# Altium PCB WaveformGen.PcbDoc
Units mm, origin at the board's own origin, x right, y up, seen from the top; angles counter-clockwise.
Board outline 76.83 x 65.53 mm, 4 copper layers (Top Layer, Mid Layer 1, Mid Layer 2, Bottom Layer), stack 1.57 mm thick; 64 components, 47 nets, 264 pads, 74 vias.
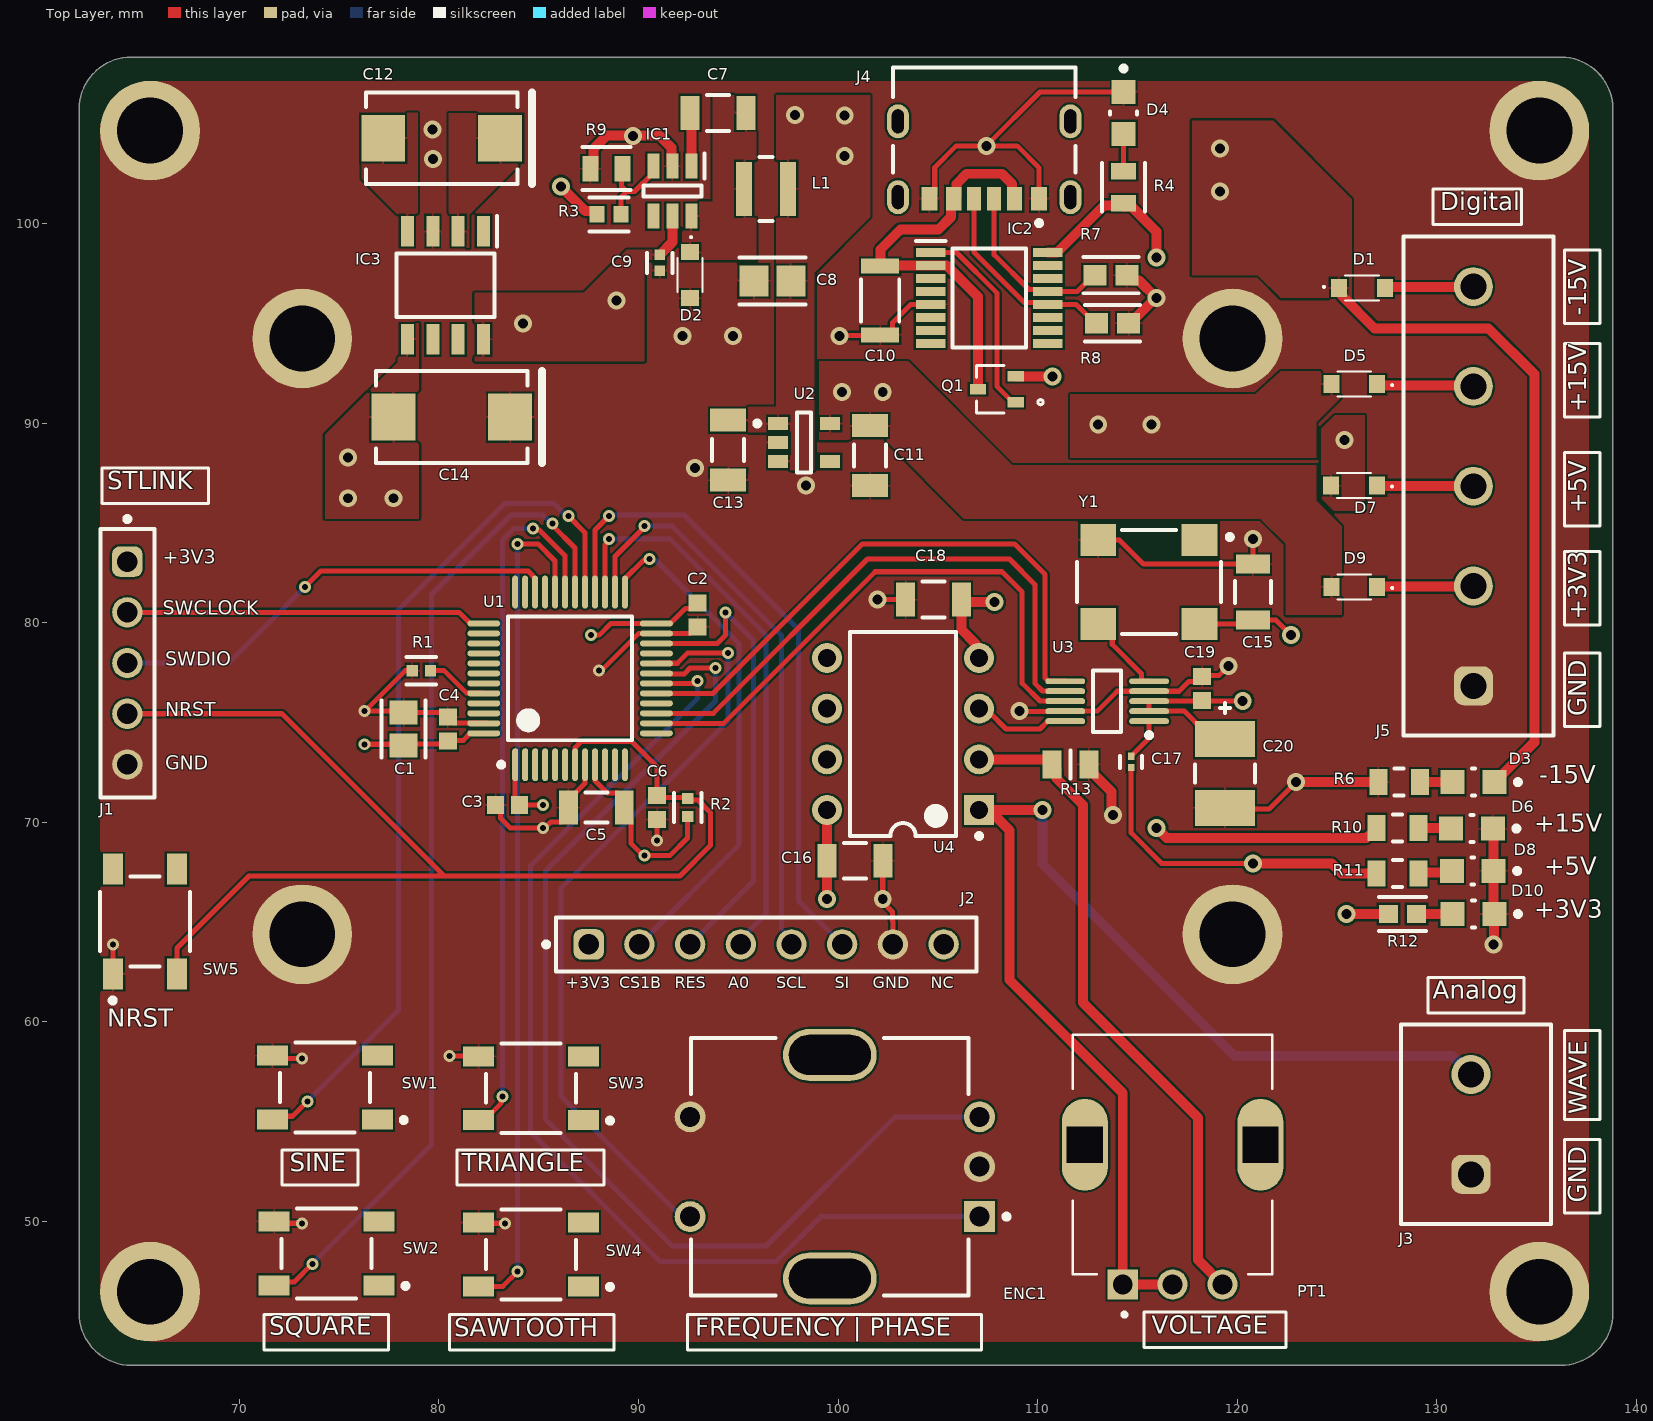
[diagram p0: Top Layer view]
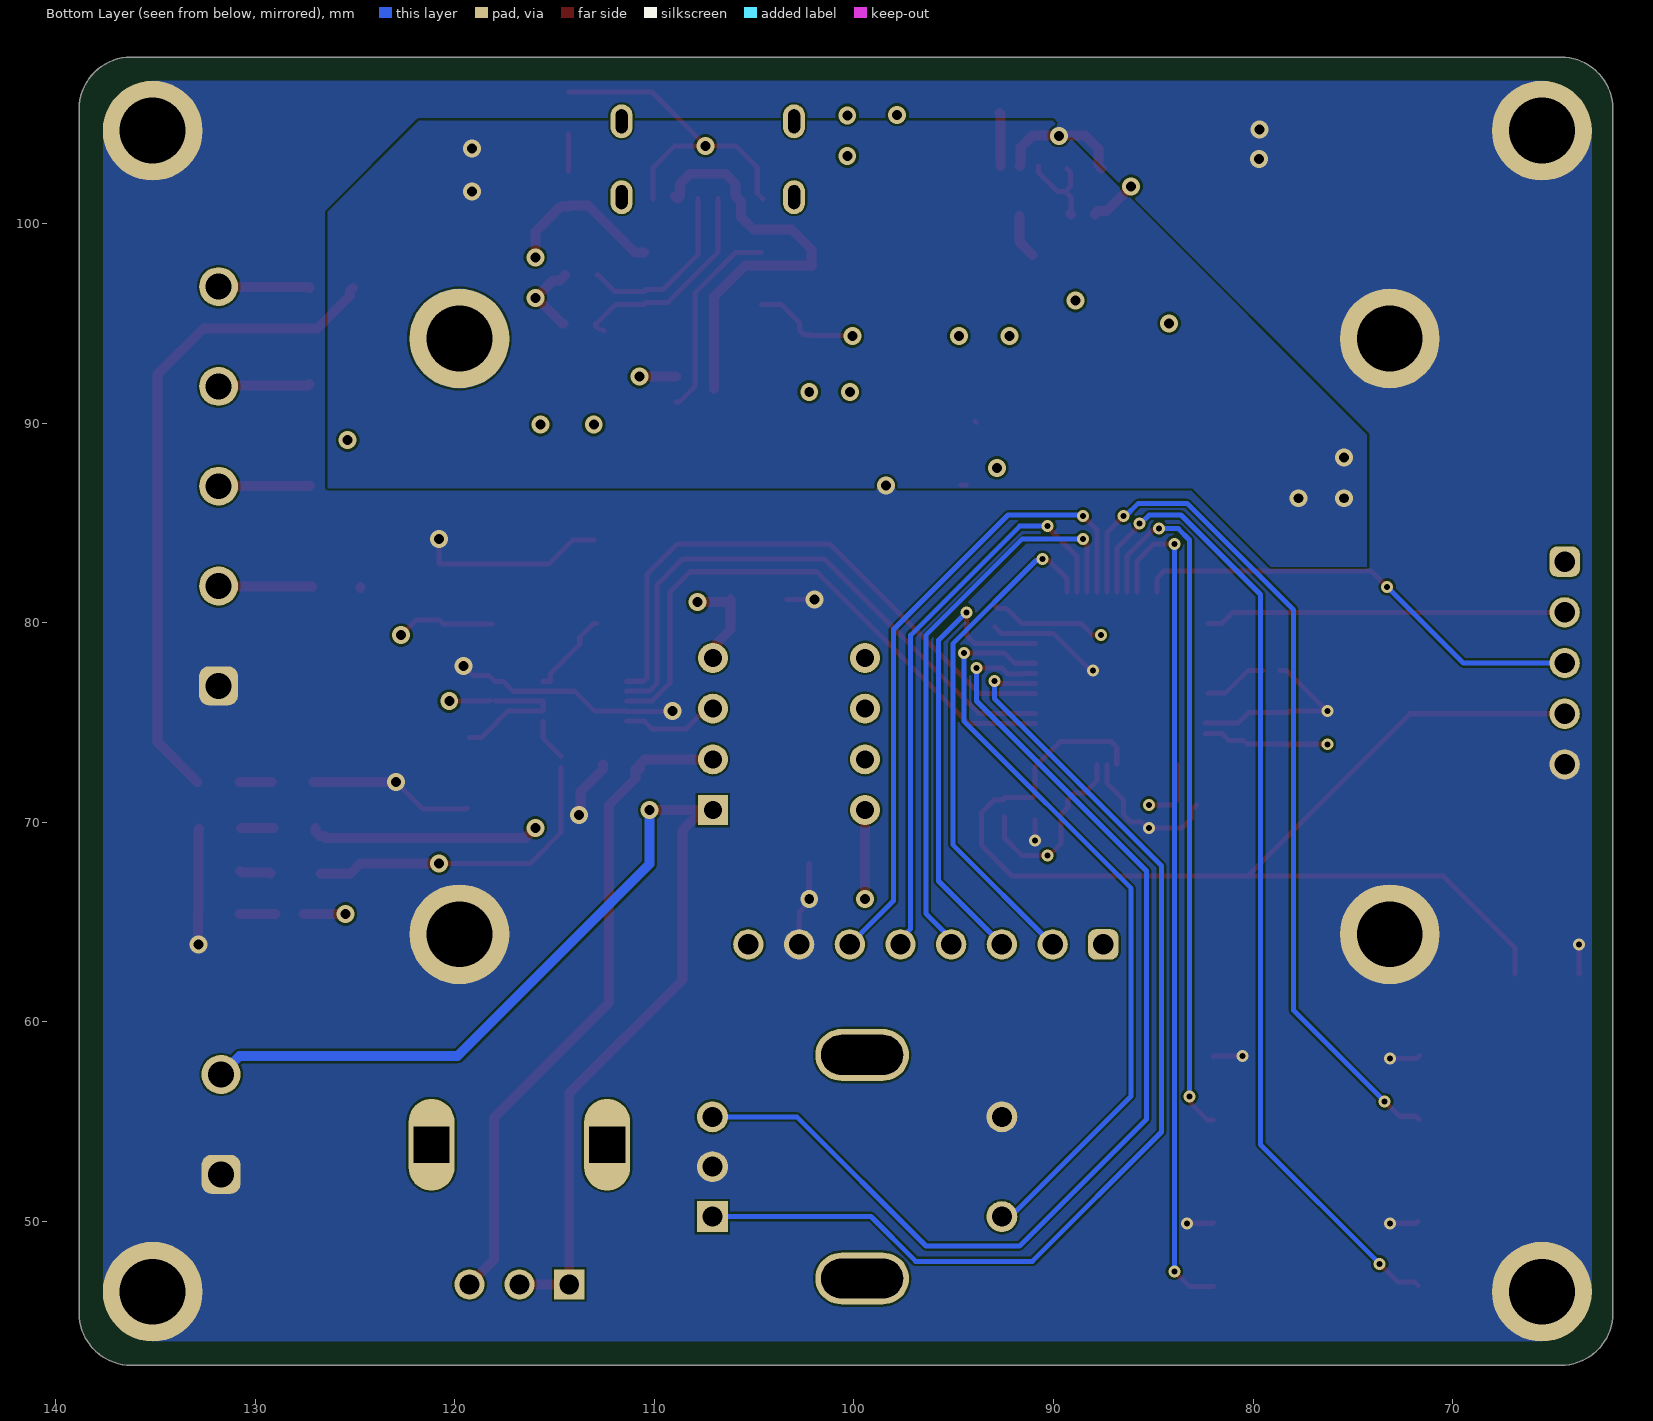
[diagram p1: Bottom Layer view, seen from below]
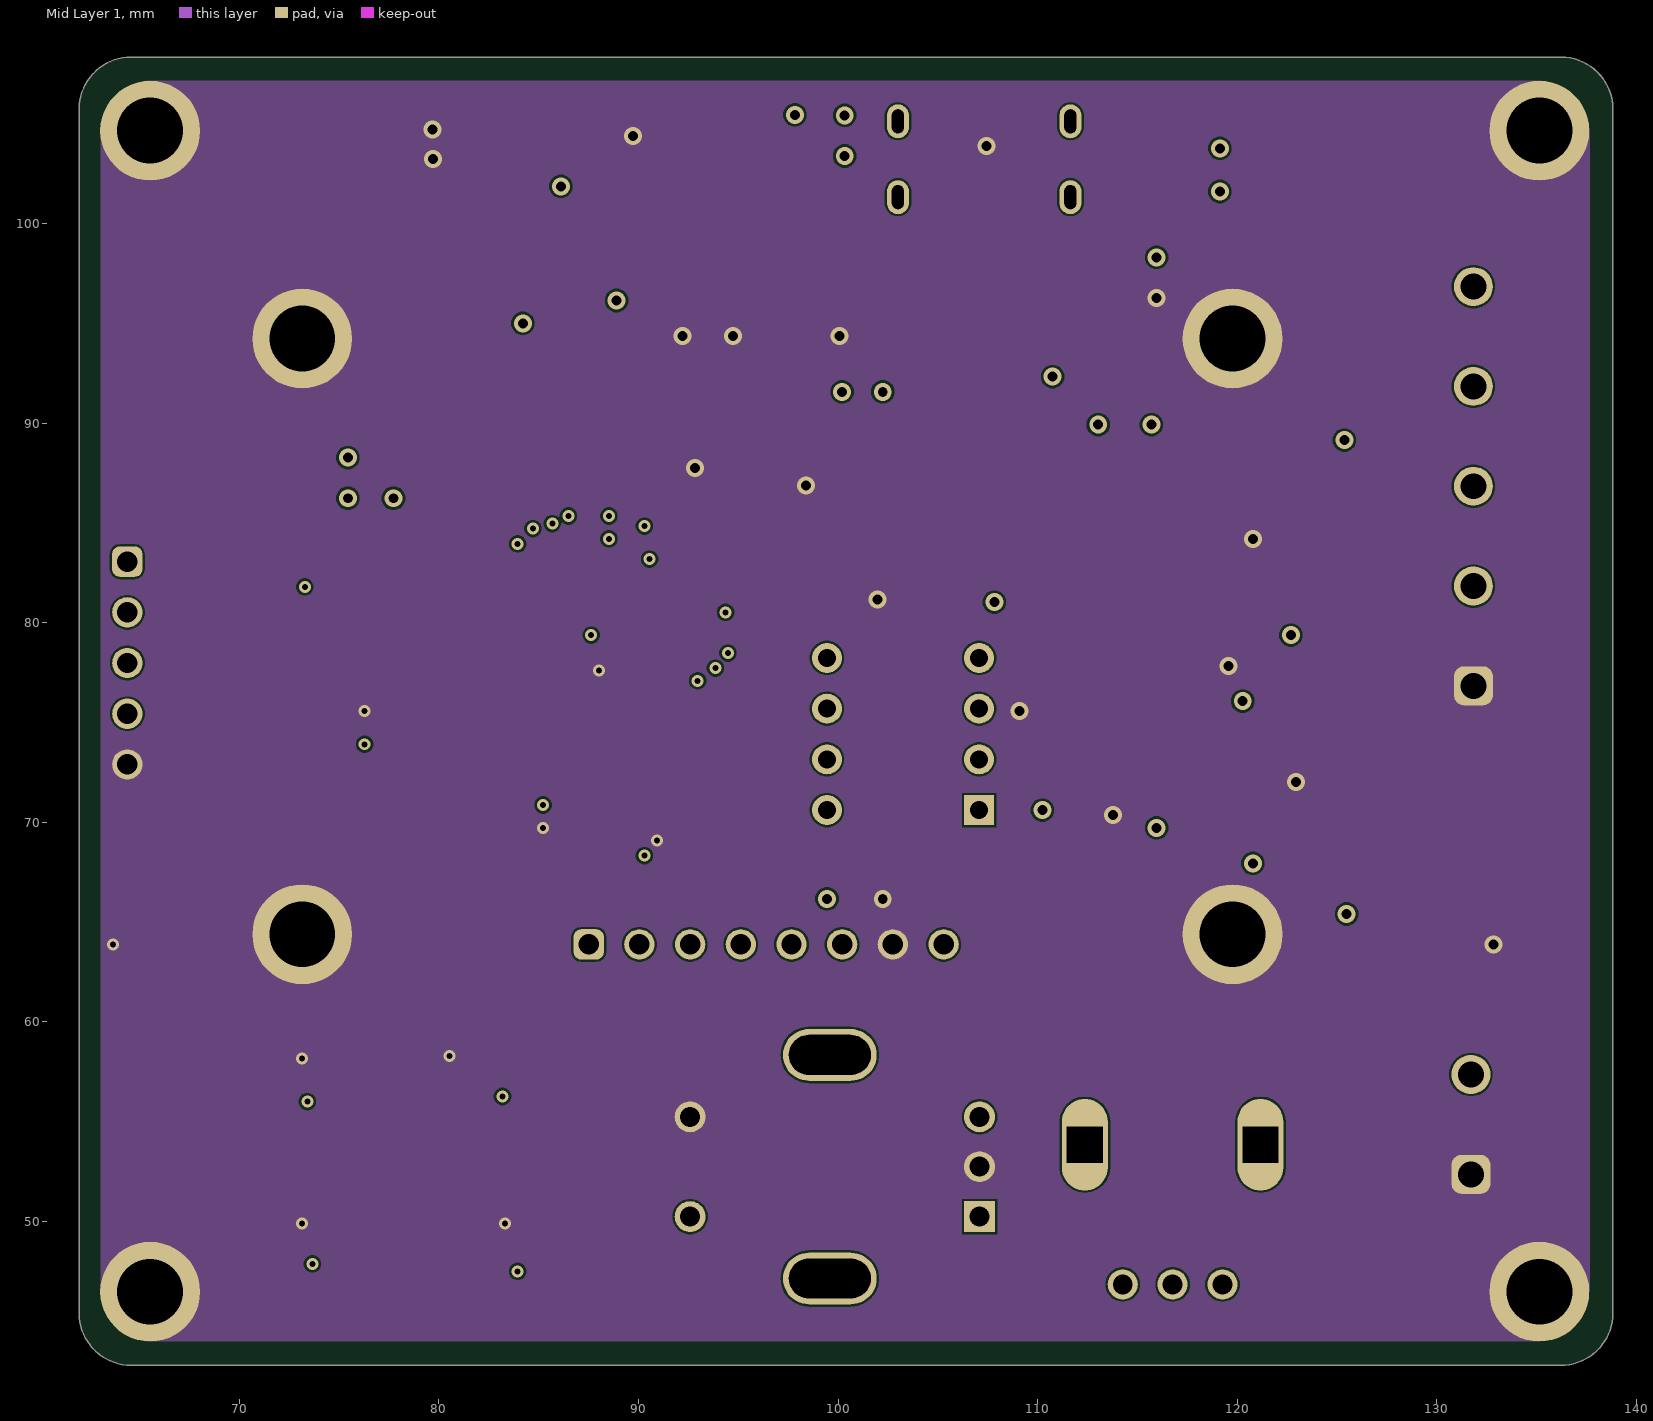
[diagram p2: Mid Layer 1]
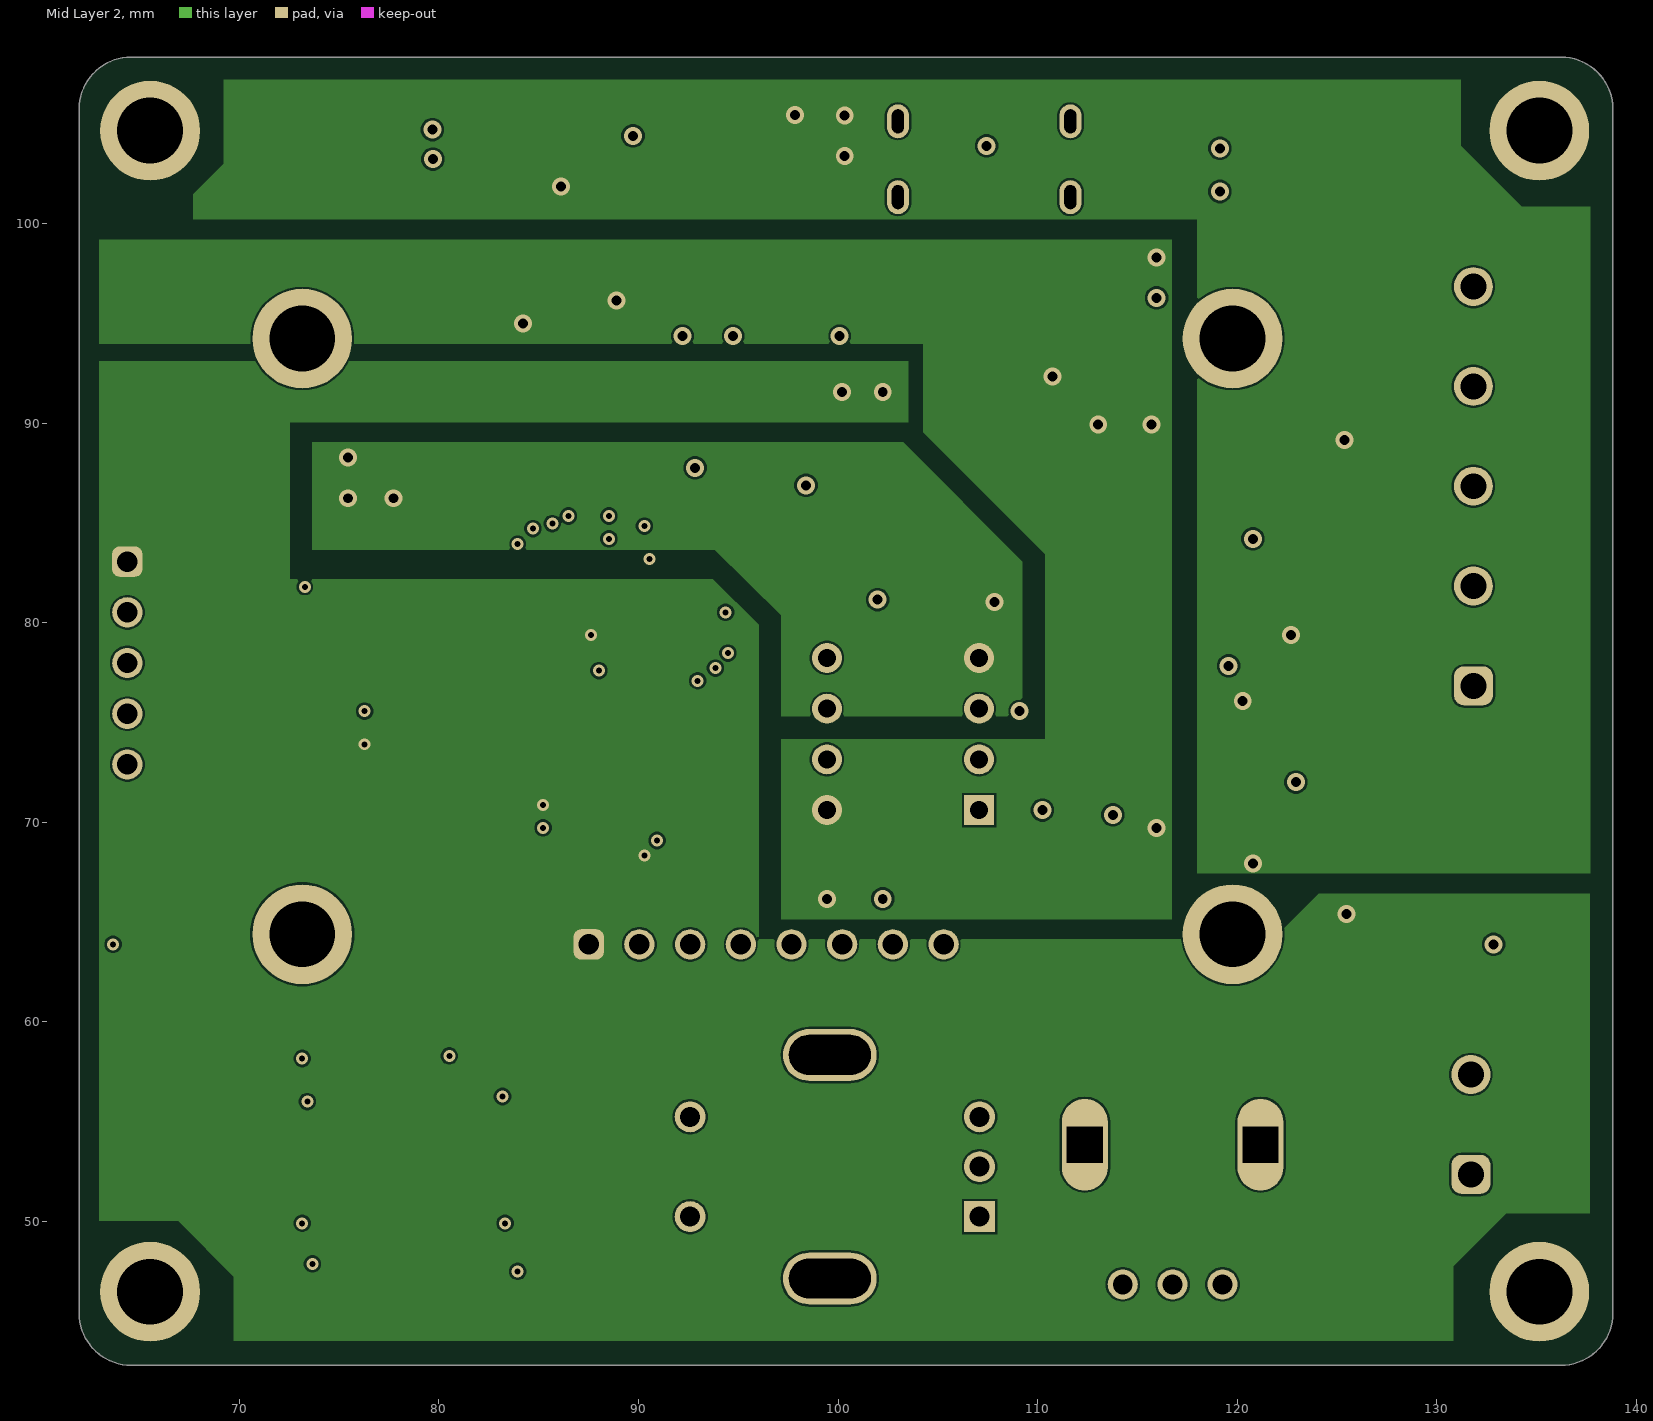
[diagram p3: Mid Layer 2]
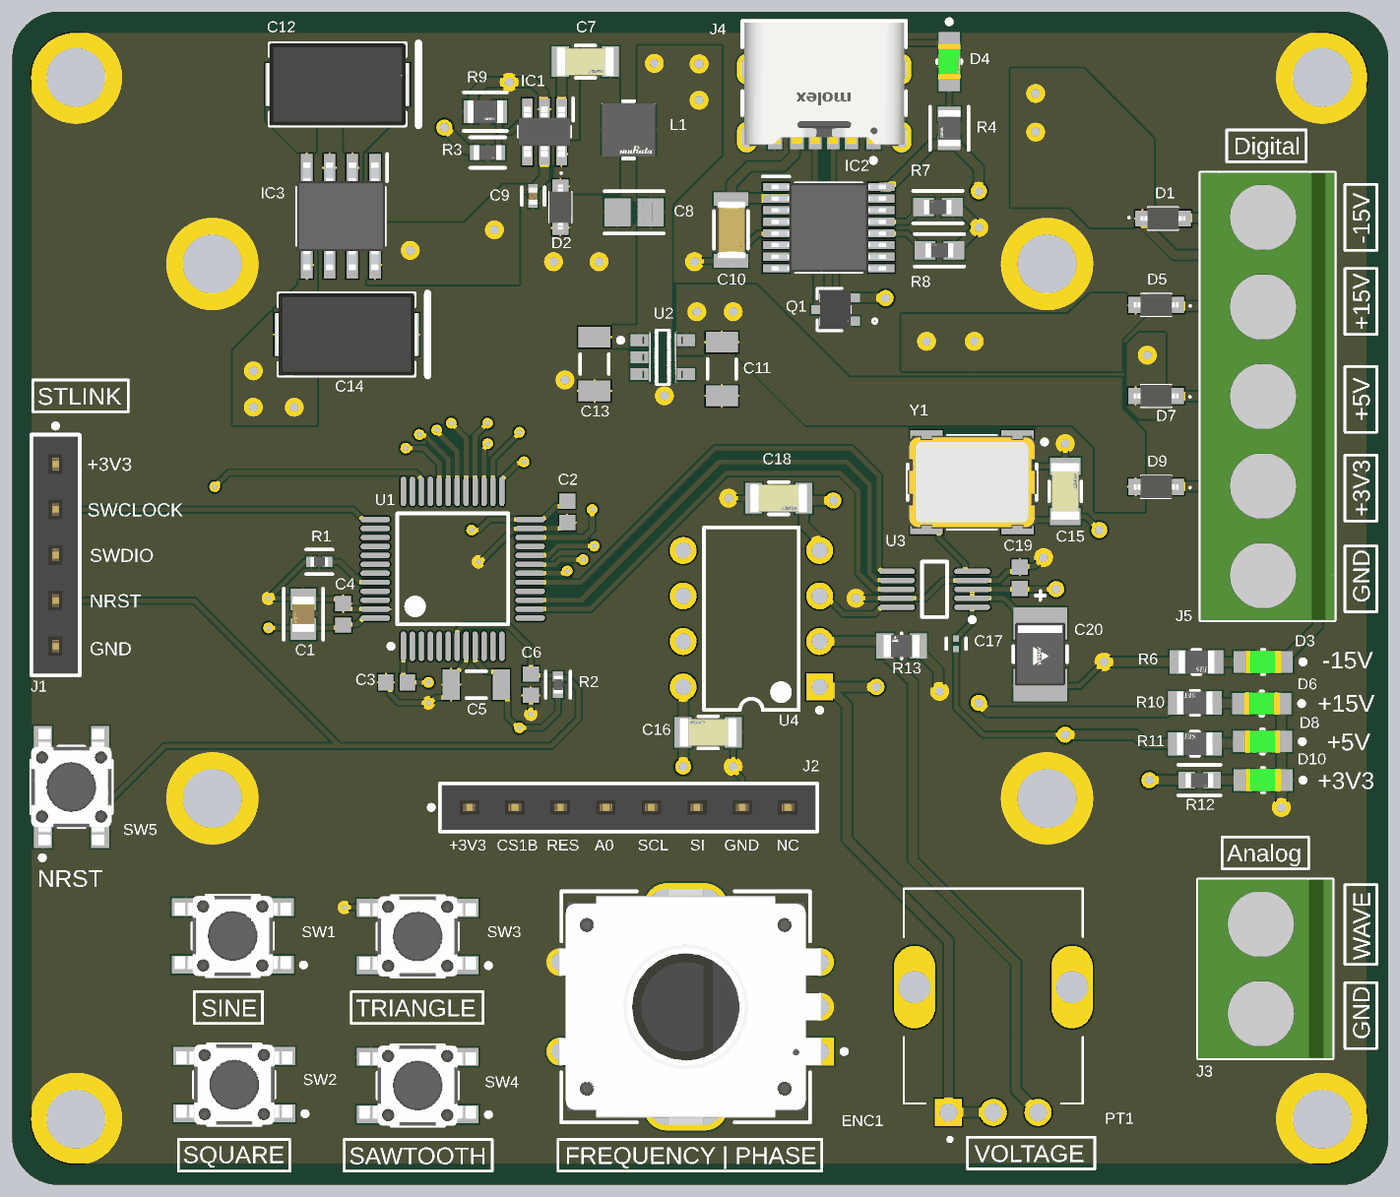
[diagram p4: 3D render of the assembled board from above, using the file's embedded part models]

## Layer stack, top to bottom
Top Solder: solder mask 0.0127, Solder Resist, Dk 3.8
Top Layer: signal copper 0.035
Dielectric 1: prepreg 0.1, 2313, Dk 4.05
Mid Layer 1: signal copper 0.0175
Core: core 1.265, FR-4, Dk 4.5
Mid Layer 2: signal copper 0.0175
Dielectric 2: prepreg 0.1, 2313, Dk 4.05
Bottom Layer: signal copper 0.035
Bottom Solder: solder mask 0.0127, Solder Resist, Dk 3.8

## Board outline
61.976,45.401 ccw(c64.578,45.401) 64.578,42.799 136.209,42.799 ccw(c136.209,45.401) 138.811,45.401 138.811,105.729 ccw(c136.209,105.729) 136.209,108.331 64.578,108.331 ccw(c64.578,105.729) 61.976,105.729

## Design rules (kind name [scope] priority, off if disabled: settings)
BoardOutlineClearance [All] p1: gap=0.2 ignorepadtopadclearanceinfootprint=FALSE
Clearance [All] p1: gap=0.102 ignorepadtopadclearanceinfootprint=FALSE except(0.127: Arc-Via Track-Via SMDPad-Via THPad-Via Via-Via Via-Fill Via-Poly Via-Region Via-Text; 0.25: Arc-Hole Track-Hole SMDPad-Hole THPad-Hole Via-Hole Fill-Hole Poly-Hole Region-Hole Text-Hole)
ComponentClearance [All] p1: gap=0.102 collisioncheckmode=3 verticalgap=0.102 showdistances=TRUE
DiffPairsRouting [All] p1: maxlimit=0.102 minlimit=0.102 mostfreqgap=0.102 toplayer_minwidth=0.102 toplayer_maxwidth=1816.048 toplayer_prefwidth=0.102 midlayer1_minwidth=0.102 midlayer1_maxwidth=1816.048 midlayer1_prefwidth=0.102 midlayer2_minwidth=0.102 midlayer2_maxwidth=1816.048 midlayer2_prefwidth=0.102 bottomlayer_minwidth=0.102 bottomlayer_maxwidth=1816.048 bottomlayer_prefwidth=0.102 maxuncoupledlength=12.7
Height [All] p1: minheight=0 maxheight=1816.048 prefheight=12.7
HoleSize [All] p1: absolutevalues=TRUE maxlimit=6.3 minlimit=0.2 maxpercent=80.000 minpercent=20.000
HoleToHoleClearance [All] p1: gap=0.25 allowstackedmicrovias=FALSE
MinimumAnnularRing [All] p1: minimumring=0.076
MinimumSolderMaskSliver [All] p1: minsoldermaskwidth=0
PlaneClearance [All] p1: clearance=0.102
PlaneConnect PlaneConnectPowerPads [InNetClass('PowerPads')] p1: planeconnectstyle=Direct reliefexpansion=0.508 reliefentries=4 reliefconductorwidth=0.254 reliefairgap=0.254
PlaneConnect [All] p2: pad.planeconnectstyle=Relief pad.reliefexpansion=0.3 pad.reliefentries=4 pad.reliefconductorwidth=0.102 pad.reliefairgap=0.102 via.planeconnectstyle=Direct via.reliefexpansion=0.3 via.reliefentries=4 via.reliefconductorwidth=0.102 via.reliefairgap=0.102
PolygonConnect PolygonConnectPowerPads [All vs InNetClass('PowerPads')] p1: connectstyle=Direct reliefconductorwidth=0.254 reliefentries=4 polygonreliefangle="90 Angle" airgapwidth=0.254
PolygonConnect PolygonConnectGND [InNet('DGND')] p2: connectstyle=Direct reliefconductorwidth=0.254 reliefentries=4 polygonreliefangle="90 Angle" airgapwidth=0.254
PolygonConnect [All] p3: thpad.connectstyle=Direct thpad.reliefconductorwidth=0.102 thpad.reliefentries=4 thpad.polygonreliefangle="90 Angle" thpad.airgapwidth=0.102 smdpad.connectstyle=Relief smdpad.reliefconductorwidth=0.102 smdpad.reliefentries=4 smdpad.polygonreliefangle="90 Angle" smdpad.airgapwidth=0.102 via.connectstyle=Direct via.reliefconductorwidth=0.102 via.reliefentries=4 via.polygonreliefangle="90 Angle" via.airgapwidth=0.102
RoutingVias [All] p1: holewidth=0.2 width=0.45 viastyle="Through Hole" minholewidth=0.2 minwidth=0.45 maxholewidth=6.3 maxwidth=6.55
SilkToSilkClearance [All] p1: silktosilkclearance=0
SilkToSolderMaskClearance [IsPad] p1: minsilkscreentomaskgap=0.102 clearancetoexposedcopper=TRUE
SolderMaskExpansion [All] p1: expansion=0.075 istentingtop=FALSE
SupplyNets "Schematic Supply Nets_6" [InNet('GND')] p1: voltage=0.000
SupplyNets "Schematic Supply Nets_4" [InNet('+5V')] p2: voltage=0.000
SupplyNets "Schematic Supply Nets_2" [InNet('+3V3')] p3: voltage=0.000
SupplyNets "Schematic Supply Nets_1" [InNet('+15V')] p4: voltage=0.000
SupplyNets "Schematic Supply Nets" [InNet('-15V')] p5: voltage=0.000
Width Width_15V [InNet('+15V')] p1: maxlimit=1816.048 minlimit=0.102 preferedwidth=0.5
Width Width_-15V [InNet('-15V')] p2: maxlimit=1816.048 minlimit=0.102 preferedwidth=0.5
Width Width_VBUS [InNet('VBUS_IN')] p3: maxlimit=1816.048 minlimit=0.102 preferedwidth=0.5
Width [All] p4: maxlimit=1816.048 minlimit=0.102 preferedwidth=0.254
20 further rules are at their usual default settings.

## Classes and differential pairs
component class Power: C7 C8 C9 C10 C11 C12 C13 C14 D1 D2 D3 D4 D5 D6 D7 D8 D9 D10 F1 IC1 IC2 IC3 J3 J4 J5 L1 Q1 R3 R4 R6 R7 R8 R9 R10 R11 R12 U2
component class Digital: C1 C2 C3 C4 C5 C6 ENC1 J1 J2 R1 R2 SW1 SW2 SW3 SW4 SW5 U1
component class Analog: C15 C16 C17 C18 C19 C20 PT1 R13 U3 U4 VR1 Y1

## Components (designator, comment, footprint, x,y, rotation, side; value= is the part's Value field where it differs from the comment)
C1 "4.7uF" FP-GRM219-0_15-0_1-IPC_B 78.232,74.676 r270 top
C2 "100nF" CAPC1608X87X45LL20T05 92.964,80.391 r90 top
C3 "100nF" CAPC1608X87X45LL20T05 83.439,70.866 r0 top
C4 "100nF" CAPC1608X87X45LL20T05 80.448,74.666 r270 top
C5 "10nF" CAPC1206(3216)150_L 87.884,70.739 r0 top
C6 "100nF" CAPC1608X87X45LL20T05 90.932,70.739 r90 top
C7 "100uF" FP-C1206C-EB-MFG 93.98,105.537 r180 top value="0.10 μF"
C8 "10uF" FP-CL21-IPC_A 96.703,97.118 r180 top
C9 "2.2uF" FP-C0402-BB-MFG 91.059,98.025 r270 top value="2,200 pF"
C10 "1uF" FP-CGA5L-0_3-0_1-IPC_B 102.108,96.139 r270 top
C11 "1uF" CAPC1206(3216)130_N 101.6,88.368 r90 top
C12 "10uF" VISH-293D-E_L 80.137,104.267 r180 top
C13 "1uF" CAPC1206(3216)130_N 94.488,88.646 r90 top
C14 "10uF" VISH-293D-E_L 80.645,90.297 r180 top
C15 "100uF" FP-C1206C-EB-MFG 120.777,81.534 r270 top value="0.10 μF"
C16 "100uF" FP-C1206C-EB-MFG 100.838,68.072 r0 top value="0.10 μF"
C17 "10nF" FP-C0201-AB-MFG 114.681,73.025 r90 top value="10,000 pF"
C18 "100uF" FP-C1206C-EB-MFG 104.775,81.153 r180 top value="0.10 μF"
C19 "100nF" CAPC1608X87X45LL20T05 118.237,76.708 r270 top
C20 "10uF Tantalum" FP-293DB-MFG 119.38,72.443 r90 top
D1 "30V 1A" 1SS357TPH3F 126.238,96.774 r270 top
D2 "30V 1A" 1SS357TPH3F 92.583,97.409 r180 top
D3 "LEDG" FP-LTST-C170GKT-MFG 131.826,72.009 r180 top
D4 "LEDG" FP-LTST-C170GKT-MFG 114.3,105.537 r270 top
D5 "30V 1A" 1SS357TPH3F 125.857,91.948 r90 top
D6 "LEDG" FP-LTST-C170GKT-MFG 131.751,69.683 r180 top
D7 "30V 1A" 1SS357TPH3F 125.85,86.868 r90 top
D8 "LEDG" FP-LTST-C170GKT-MFG 131.792,67.564 r180 top
D9 "30V 1A" 1SS357TPH3F 125.857,81.788 r90 top
D10 "LEDG" FP-LTST-C170GKT-MFG 131.826,65.405 r180 top
ENC1 "PEC12R-4225F-S0024" FP-PEC12R-4225F-S0024-MFG 99.583,52.745 r90 top
IC1 "LMR16006YQ5DDCRQ1" SOT95P280X110-6N 91.694,101.62 r270 top
IC2 "IP2721" SOP65P640X120-16N 107.569,96.266 r0 top
IC3 "ICL7662CBA+T" SOIC127P600X175-8N 80.328,96.901 r270 top
J1 "61300511821" 61300511821 64.389,77.978 r270 top
J2 "61300811821" 61300811821 96.393,63.881 r0 top locked
J3 "691137710002" 691137710002 131.953,54.864 r90 top
J4 "217175-0001" FP-217175-0001-MFG 107.315,104.267 r180 top
J5 "691137710005" 691137710005 132.076,86.835 r90 top
L1 "6.8uH" FP-LQH3NPH_ME-MFG 96.393,101.727 r0 top
PT1 "PT01-D130K2-B203" TRIM_PT01-D130K2-B203 116.758,53.848 r0 top value="20k POT"
Q1 "NCH 60V 6A" SOT-323F_2-2U1S_UFM_TOS 107.95,91.694 r180 top
R1 "10k" FP-TFCR0402-IPC_B 79.121,77.597 r180 top
R2 "10k" FP-TFCR0402-IPC_B 92.456,70.739 r90 top
R3 "54.9k" FP-TFCR0603-IPC_C 88.519,100.457 r180 top
R4 "750" FP-AT0805-IPC_C 114.3,101.814 r270 top
R6 "750" FP-RMCF0805-MFG 128.109,72.009 r0 top
R7 "5.1k" FP-TFCR0603-IPC_A 113.665,97.409 r0 top
R8 "5.1k" FP-TFCR0603-IPC_A 113.752,94.996 r0 top
R9 "10k" FP-AT0805-IPC_C 88.392,102.743 r0 top
R10 "750" FP-RMCF0805-MFG 128.016,69.723 r180 top
R11 "250" FP-RMCF0805-MFG 128.016,67.437 r180 top
R12 "620" FP-TFCR0603-IPC_B 128.27,65.405 r180 top
R13 "1k" FP-MCU0805-IPC_B 111.633,72.898 r180 top
SW1 "PTS647SK38SMTR2LFS" FP-PTS647SK38SMTR2LFS-MFG 74.288,56.707 r180 top
SW2 "PTS647SK38SMTR2LFS" FP-PTS647SK38SMTR2LFS-MFG 74.373,48.401 r180 top
SW3 "PTS647SK38SMTR2LFS" FP-PTS647SK38SMTR2LFS-MFG 84.618,56.676 r180 top
SW4 "PTS647SK38SMTR2LFS" FP-PTS647SK38SMTR2LFS-MFG 84.618,48.35 r180 top
SW5 "PTS647SK38SMTR2LFS" FP-PTS647SK38SMTR2LFS-MFG 65.278,65.024 r90 top
U1 "STM32F030C8T6" STM-LQFP48_M 86.57,77.209 r90 top
U2 "MIC5317-3.3YM5-TR" FP-SOT23-5LD-PL-1-MFG 98.298,89.027 r0 top
U3 "AD9833BRMZ" ADI-RM-10_M 113.479,76.065 r180 top
U4 "LM358P" P0008A 103.251,74.422 r180 top
Y1 "CFPS-72-24MHz" WE-SPXO_CFPS-72 115.57,82.042 r180 top
